# Altium PCB PCBV2.PcbDoc (part 1 of 3) (continued)
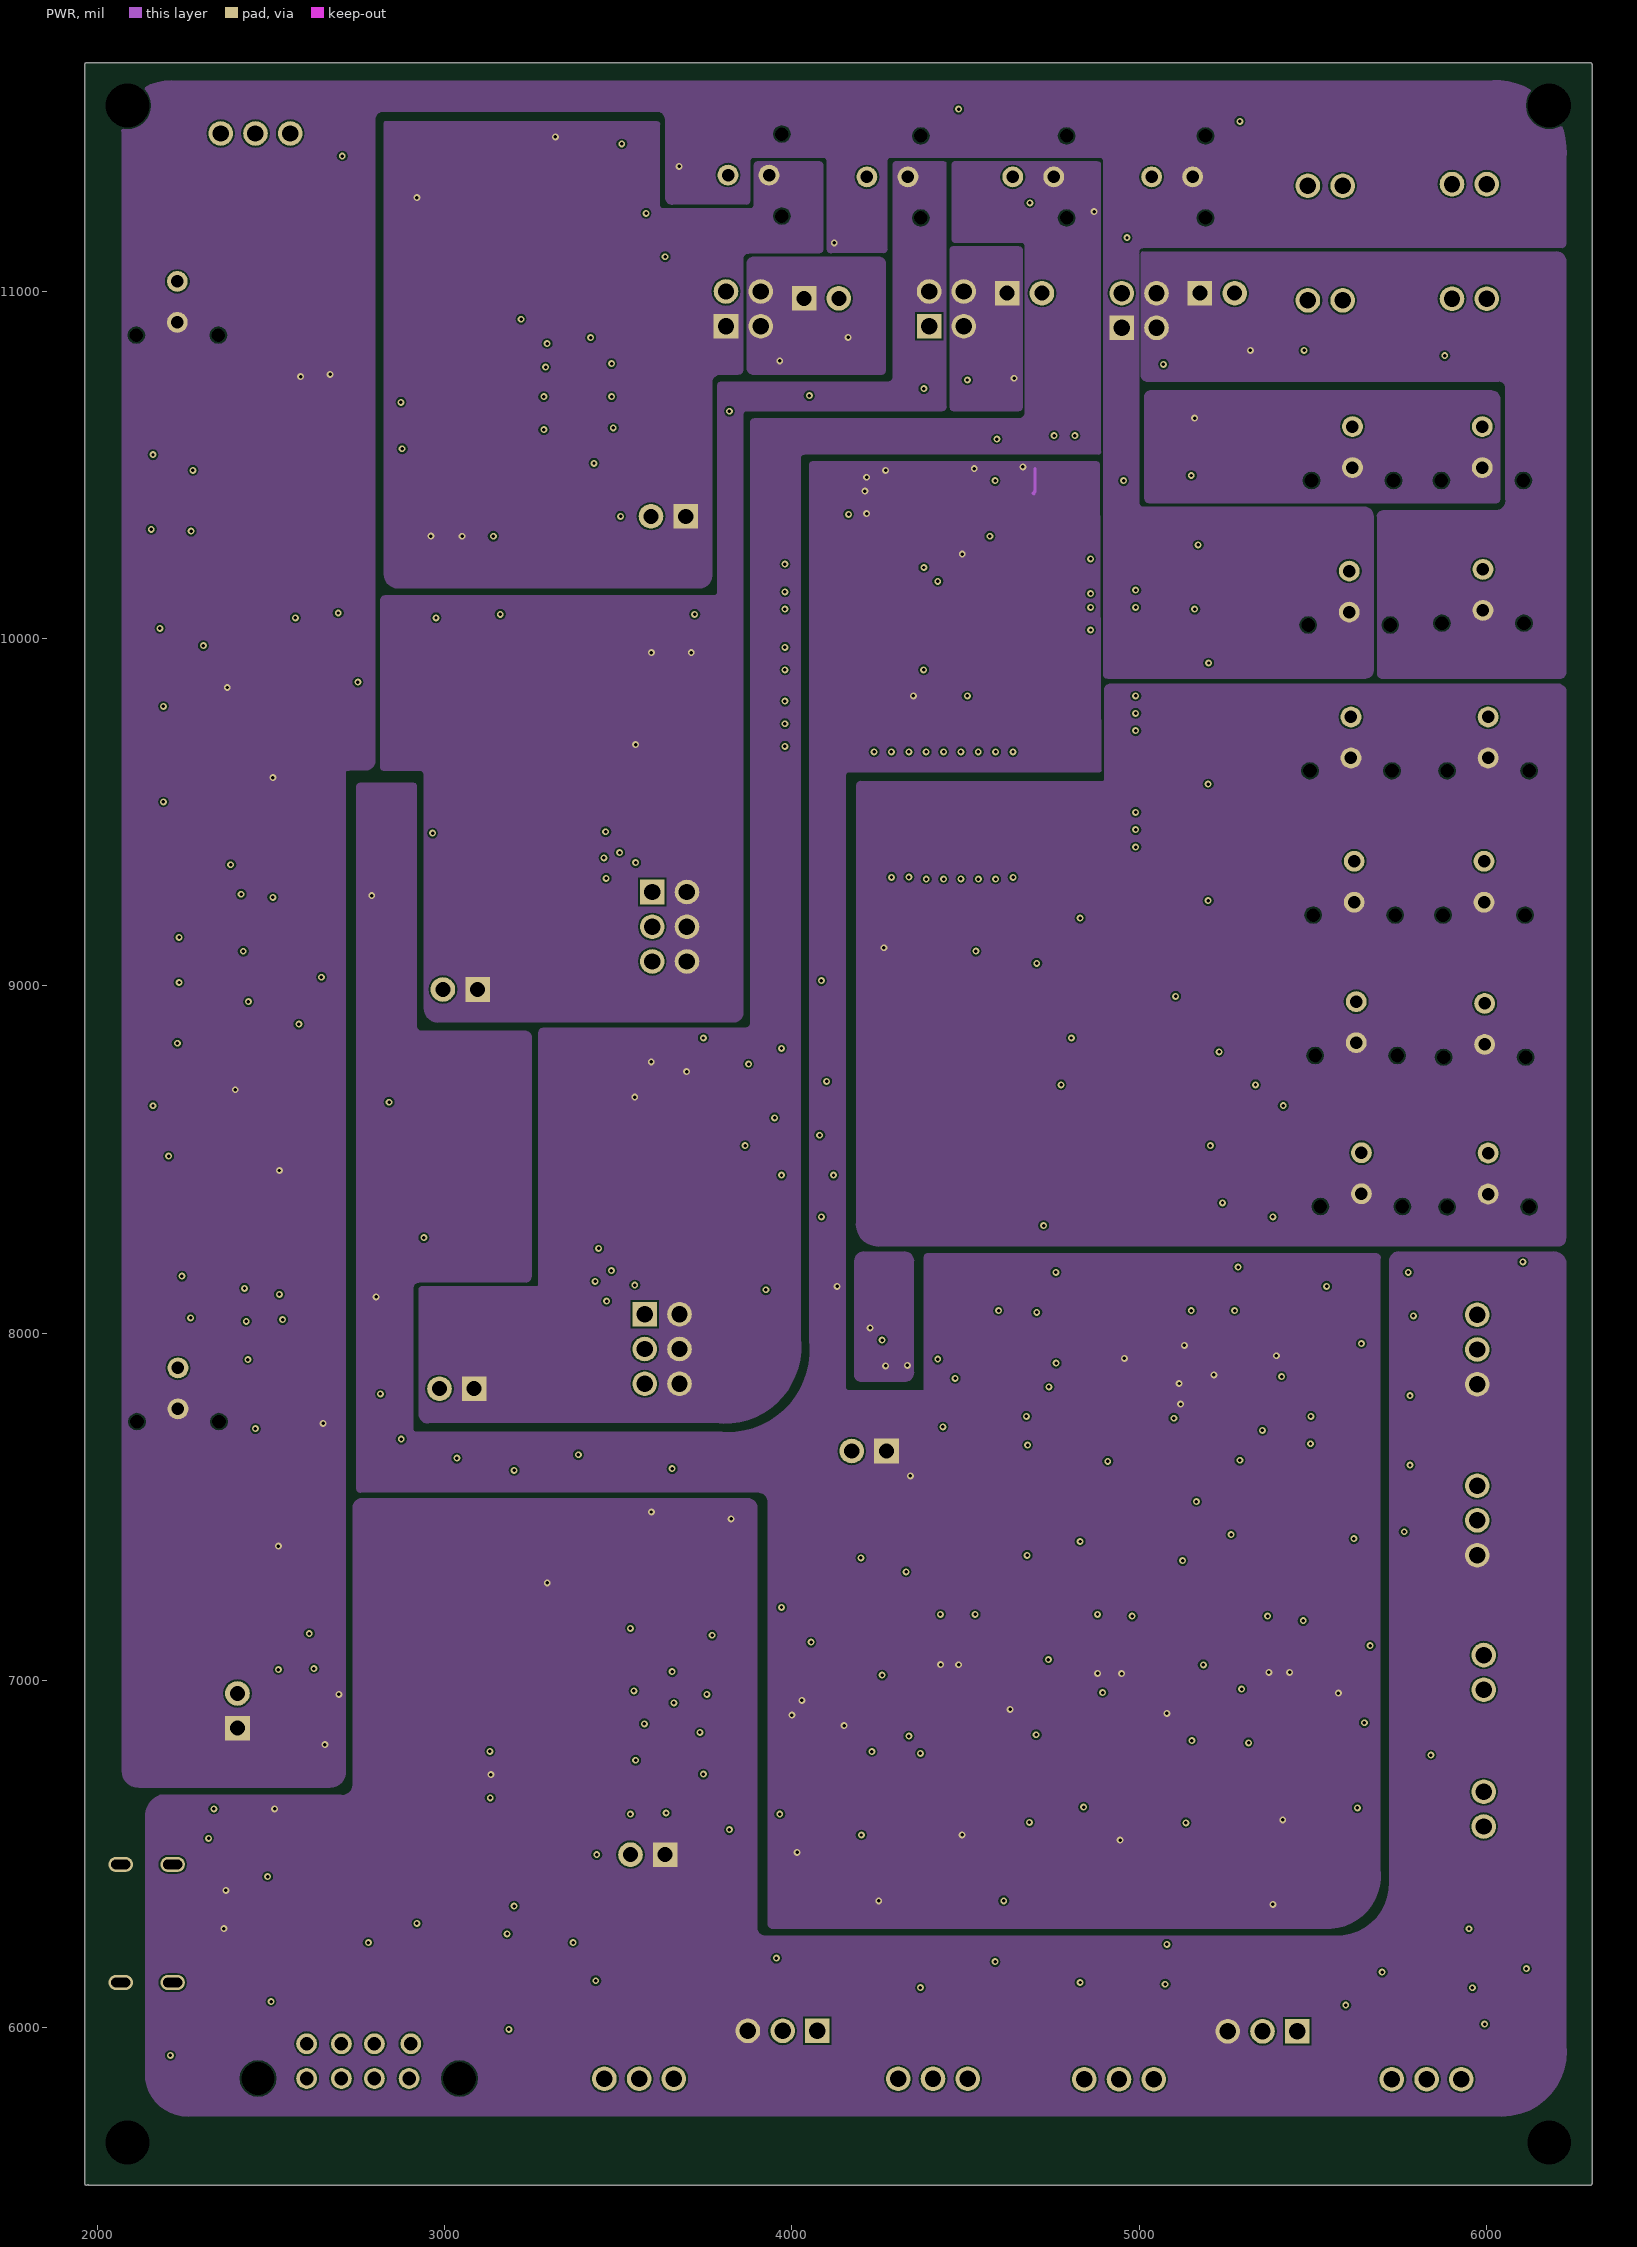
[diagram p3: PWR]

## Layer stack, top to bottom
Top Solder: solder mask 0.4, Solder Resist, Dk 3.5
Top Layer: signal copper 1.4
Dielectric 1: core 10, FR-4, Dk 4.2
GND: plane copper 1.417, net GND
Dielectric 3: prepreg 5, Dk 4.2
PWR: signal copper 1.417
Dielectric 2: core 10, Dk 4.2
Bottom Layer: signal copper 1.4
Bottom Solder: solder mask 0.4, Solder Resist, Dk 3.5

## Board outline
1963.49,5551.18 1963.49,11653.54 cw(c1968.5,11653.54) 1968.5,11658.56 6299.21,11658.56 cw(c6299.21,11653.54) 6304.23,11653.54 6304.23,5551.18 cw(c6299.21,5551.18) 6299.21,5546.17 1976.38,5546.17 cw(c1976.38,5551.18) 1972.44,5548.07 cw(c1968.5,5551.18)

## Design rules (kind name [scope] priority, off if disabled: settings)
AssemblyTestPointUsage [All] p1 off:
AssemblyTestpoint [All] p1 off: testpointundercomponent=TRUE minsize=40 maxsize=100 preferedsize=60 minholesize=0 maxholesize=40 preferedholesize=32 testpointgrid=1 usegrid=TRUE gridtolerance=0.01 allowsidetop=TRUE allowsidebottom=TRUE
BoardOutlineClearance [All] p1: gap=8 ignorepadtopadclearanceinfootprint=FALSE
Clearance [All] p1: gap=5 ignorepadtopadclearanceinfootprint=TRUE
ComponentClearance [All] p1: gap=10 collisioncheckmode=3 verticalgap=0 showdistances=FALSE
FabricationTestPointUsage [All] p1 off: valid=0 allowmultiple=FALSE
FabricationTestpoint [All] p1 off: side=3 testpointundercomponent=TRUE minsize=40 maxsize=100 preferedsize=60 minholesize=0 maxholesize=40 preferedholesize=32 testpointgrid=1 allowsidetop=TRUE allowsidebottom=TRUE usegrid=TRUE gridtolerance=0.01
HoleSize [All] p1: absolutevalues=TRUE maxlimit=137.8 minlimit=1 maxpercent=80.000 minpercent=20.000
HoleToHoleClearance [All] p1: gap=22 allowstackedmicrovias=TRUE
MinimumSolderMaskSliver [All] p1: minsoldermaskwidth=0
PlaneClearance [All] p1: clearance=20
PlaneConnect [All] p1: planeconnectstyle=Relief reliefexpansion=20 reliefentries=4 reliefconductorwidth=10 reliefairgap=10
PolygonConnect [All] p1: connectstyle=Direct reliefconductorwidth=10 reliefentries=4 polygonreliefangle="90 Angle" airgapwidth=10
RoutingVias [All] p1: holewidth=10 width=20 viastyle="Through Hole" minholewidth=10 minwidth=20 maxholewidth=10 maxwidth=20
SilkToSilkClearance [All] p1: silktosilkclearance=6
SilkToSolderMaskClearance [IsPad] p1: minsilkscreentomaskgap=0 clearancetoexposedcopper=TRUE
SolderMaskExpansion [All] p1: expansion=4
Width [All] p1: maxlimit=60 minlimit=5 preferedwidth=10 minimp=50.000000 maximp=50.000000 favimp=50.000000
18 further rules are at their usual default settings.

## Classes and differential pairs
channel class HighCurrentDriver: 1 2 3 4
channel class analogPath: 1 2 3 4
component class Step-Up: 90 C9 C10 C11 C12 C13 C14 C15 C29 D3 D4 F3 F4 J1 J2 L3 L4 R7 R8 R9 R10 R11 R12 R13 R14 tp-V1 tp-V2 U4 U5
component class Step-Down: 3V3 5V C2 C3 C4 C5 C6 C7 C8 D1 D2 F1 F2 L1 L2 ON R5 R6 R61 R62 R63 tp-3V3 tp-5V tp-9V U2 U3 U9
component class Salidas: 9V 12V B GPIO1 GPIO2 H1 H2 I2C PWM1 PWM1(RPI) PWM2 PWM2(RPI) PWM3 PWM4 PWR_OUT PWR_RPI RG1 RG2 RG3 RG4 RG5 RG6 RG7 RG8 V1 V2 W
component class "Generador PWM": 0 1 2 3 4 5 6 7 8 9 10 11 12 13 14 15 C19 ID-PWM R17 R18 R19 R20 R21 R22 R23 R24 R25 R26 R27 R28 R29 R30 R31 R32 R33 R34 R35 R36 R37 R38 R39 R40 R41 R42 U8
component class Entradas: C1 C30 L PWR_IN R1 R2 R3 R4 RPI_IN S1 S2 S3 S4 SJ1 SJ2 SJ3 SJ4 T tp-PWR_IN U10
component class Drivers: "Blue selector" C16 C17 C18 "Heater selector" "RG selector" tp-BLUE> tp-HEATER> tp-RG> U6
component class 4: Q1_4 R15_4 R16_4
component class 3: Q1_3 R15_3 R16_3
component class 2: Q1_2 R15_2 R16_2
component class 1: Q1_1 R15_1 R16_1
component class ADC: C24 C25 C26 C27 C28 ID-ADC R52 R53 R54 R55 R56 R57 R58 R59 R60 U7
component class 4: adc_4 C20_4 C21_4 C22_4 C23_4 R43_4 R44_4 R45_4 R46_4 R47_4 R48_4 R49_4 R50_4 R51_4 sens_4 sig_4 SJ6_4 SJ7_4 SJ8_4 U1_4
component class 3: adc_3 C20_3 C21_3 C22_3 C23_3 R43_3 R44_3 R45_3 R46_3 R47_3 R48_3 R49_3 R50_3 R51_3 sens_3 sig_3 SJ6_3 SJ7_3 SJ8_3 U1_3
component class 2: adc_2 C20_2 C21_2 C22_2 C23_2 R43_2 R44_2 R45_2 R46_2 R47_2 R48_2 R49_2 R50_2 R51_2 sens_2 sig_2 SJ6_2 SJ7_2 SJ8_2 U1_2
component class 1: adc_1 C20_1 C21_1 C22_1 C23_1 R43_1 R44_1 R45_1 R46_1 R47_1 R48_1 R49_1 R50_1 R51_1 sens_1 sensA1 sig_1 SJ6_1 SJ7_1 SJ8_1 U1_1

## Components (designator, comment, footprint, x,y, rotation, side; value= is the part's Value field where it differs from the comment)
0 "TP" TP 3855,10285 r180 bottom
1 "TP" TP 3855,10190 r180 bottom
2 "TP" TP 3855,10075 r180 bottom
3 "TP" TP 3855,9975 r180 bottom
3V3 "Generic LED" LED0603 3990,8095 r90 top
4 "TP" TP 3855,9890 r180 bottom
5 "TP" TP 3855,9790 r180 bottom
5V "Generic LED" LED0603 2385,6600 r90 top
6 "TP" TP 3855,9680 r180 bottom
7 "TP" TP 3855,9580 r180 bottom
8 "TP" TP 4915,9545 r0 top
9 "TP" TP 4925,9830 r0 top
9V "Power connector 2x1" CONN-TH_430450212 3875,11335 r180 top
10 "TP" TP 4925,9930 r0 top
11 "TP" TP 4925,10515 r0 top
12 "TP" TP 4665,10080 r180 bottom
12V "Power connector 2x1" CONN-TH_430450212 5095,11330 r180 top
13 "TP" TP 4665,10180 r180 bottom
14 "TP" TP 4665,10295 r180 bottom
15 "TP" TP 4665,10405 r180 bottom
adc_1 "TP" TP 4430,7255 r0 top (schematic designator adc)
adc_2 "TP" TP 4935,7270 r0 top (schematic designator adc)
adc_3 "TP" TP 5375,7285 r0 top (schematic designator adc)
adc_4 "TP" TP 5795,7060 r0 top (schematic designator adc)
B "Power connector 2x1" CONN-TH_430450212 5990,10140.63 r90 top
"Blue selector" "Pin Header 2x2c" HDR-TH_4P-P2.54-V-R2-C2-S2.54_A2541WV-2X2P 5000,10945 r0 top
C1 "Cap pol" CAP_SMD_Electrolytic_10x10 2521.26,7325.79 r270 top value=47uF
C2 "Cap pol" CAP_SMD_Electrolytic_13.5x13.5 2835,6603.35 r270 top value=680uF
C3 "Cap pol" CAP_SMD_Electrolytic_10x10 3662.76,7305.04 r270 top value=330uF
C4 "Cap Semi" 1608[0603] 4360.04,7857.44 r180 top value=1uF
C5 "Cap Semi" 1608[0603] 4360.04,7759.02 r180 top value=1uF
C6 "Cap pol" CAP_SMD_Electrolytic_13.5x13.5 2617.4,10387.13 r270 top value=680uF
C7 "Cap Semi" 1608[0603] 2960.12,10373.86 r270 top value=1.5nF
C8 "Cap pol" CAP_SMD_Electrolytic_10x10 3220.43,11194.21 r270 top value=330uF
C9 "Cap pol" CAP_SMD_Electrolytic_10x10 3549.25,9623.19 r270 top value=220uF
C10 "Cap Semi" 1608[0603] 3645.83,8781.02 r270 top value=1uF
C11 "Cap pol" CAP_SMD_Electrolytic_10x10 3547.4,8407.01 r270 top value=220uF
C12 "Cap pol" CAP_SMD_Electrolytic_10x10 2505.94,9524.76 r270 top value=47uF
C13 "Cap Semi" 1608[0603] 2722.48,9820.04 r180 top value=1uF
C14 "Cap Semi" 1608[0603] 3647.68,9997.2 r270 top value=1uF
C15 "Cap pol" CAP_SMD_Electrolytic_10x10 2523.78,8387.32 r270 top value=47uF
C16 "Cap Semi" 1608[0603] 4075,10870 r180 top value=1uF
C17 "Cap Semi" 1608[0603] 5190,10885 r180 top value=1uF
C18 "Cap Semi" 1608[0603] 4625,10890 r180 top value=1uF
C19 "Cap Semi" 1608[0603] 4428.8,9835.77 r180 top value=10uF
C20_1 "Cap Semi" 1608[0603] 4052.76,7020.59 r270 top value=10uF (schematic designator C20)
C20_2 "Cap Semi" 1608[0603] 4526.61,7117.4 r270 top value=10uF (schematic designator C20)
C20_3 "Cap Semi" 1608[0603] 4978.66,7103.15 r270 top value=10uF (schematic designator C20)
C20_4 "Cap Semi" 1608[0603] 5472.48,7102.4 r270 top value=10uF (schematic designator C20)
C21_1 "Cap Semi" 1608[0603] 3954.33,7016.65 r90 top value=100pF (schematic designator C21)
C21_2 "Cap Semi" 1608[0603] 4428.19,7117.4 r90 top value=100pF (schematic designator C21)
C21_3 "Cap Semi" 1608[0603] 4880.24,7103.15 r90 top value=100pF (schematic designator C21)
C21_4 "Cap Semi" 1608[0603] 5374.05,7102.4 r90 top value=100pF (schematic designator C21)
C22_1 "Cap Semi" 1608[0603] 4172.68,7309.69 r180 top value=100pF (schematic designator C22)
C22_2 "Cap Semi" 1608[0603] 4649.72,7303.94 r180 top value=100pF (schematic designator C22)
C22_3 "Cap Semi" 1608[0603] 5096.77,7289.37 r180 top value=100pF (schematic designator C22)
C22_4 "Cap Semi" 1608[0603] 5590.59,7358.31 r180 top value=100pF (schematic designator C22)
C23_1 "Cap Semi" 1608[0603] 4288.98,6811.93 r270 top value=100pF (schematic designator C23)
C23_2 "Cap Semi" 1608[0603] 4767.83,6870.87 r270 top value=100pF (schematic designator C23)
C23_3 "Cap Semi" 1608[0603] 5208.7,6862.48 r270 top value=100pF (schematic designator C23)
C23_4 "Cap Semi" 1608[0603] 5708.7,6925.24 r270 top value=100pF (schematic designator C23)
C24 "Cap Semi" 1608[0603] 5157.91,7917.8 r180 top value=100nF
C25 "Cap Semi" 1608[0603] 4753.9,7760.31 r0 top value=100nF
C26 "Cap Semi" 1608[0603] 4752.56,7675 r0 top value=100nF
C27 "Cap Semi" 1608[0603] 5413.82,7681.57 r180 top value=100nF
C28 "Cap Semi" 1608[0603] 5413.82,7760.31 r180 top value=100nF
C29 "Cap Semi" 1608[0603] 2720.63,8662.91 r180 top value=1uF
C30 "Cap Semi" 1608[0603] 3132.42,6285.14 r270 top value=100nF
D1 "Schottky Diode" SMB_L4.6-W3.6-LS5.3-RD 3280.35,6498.27 r180 top
D2 "Schottky Diode" SMB_L4.6-W3.6-LS5.3-RD 3348.9,10352.44 r180 top
D3 "Schottky Diode" SMB_L4.6-W3.6-LS5.3-RD 3429.29,8781.02 r0 top
D4 "Schottky Diode" SMB_L4.6-W3.6-LS5.3-RD 3444.92,9959.84 r0 top
F1 "Generic Fuse" F1206 3045.28,6960.63 r0 top
F2 "Generic Fuse" F1206 2794.57,10761.14 r0 top
F3 "Generic Fuse" F1206 2543.46,8702.28 r0 top
F4 "Generic Fuse" F1206 2525.63,9859.41 r0 top
GPIO1 "Generic Header 3x1" CONN-TH_A2547WV-3P 5973.35,7460.71 r90 top
GPIO2 "Generic Header 3x1" CONN-TH_A2547WV-3P 5973.35,7952.83 r90 top
H1 "Power connector 2x1" CONN-TH_430450212 5988.23,10551.73 r90 top
H2 "Power connector 2x1" CONN-TH_430450212 5614.21,10551.73 r90 top
"Heater selector" "Pin Header 2x2c" HDR-TH_4P-P2.54-V-R2-C2-S2.54_A2541WV-2X2P 4445,10950 r0 top
I2C "Generic Header 3x1" CONN-TH_A2547WV-3P 2455,11455 r180 top
ID-ADC "sj" SJ2#1 4912.56,7877.19 r0 top
ID-PWM "sj" SJ2#1 4440.45,10348.72 r0 top
J1 "Pin Header 3x2" HDR-TH_6P-P2.54-V-R2-C3-S2.54_A2541WV-2X3P 3626.14,7954.25 r270 top
J2 "Pin Header 3x2" HDR-TH_6P-P2.54-V-R2-C3-S2.54_A2541WV-2X3P 3647.68,9170.43 r270 top
L "Pin Header 3x1" HDR-TH_3P-P2.54-V 5355.28,5989.21 r180 top
L1 "Inductor" IND-SMD_L12.5-W12.5_SMDRS1275 3160.28,7280.63 r0 top value=68uH
L2 "Inductor" IND-SMD_L8.0-W8.0 2782.36,11064.84 r0 top value=15uH
L3 "Inductor" IND-SMD_L12.3-W12.3 3030.51,8466.73 r0 top value=33uH
L4 "Inductor" IND-SMD_L12.3-W12.3 3037.44,9642.87 r0 top value=33uH
ON "Generic LED" LED0603 2510,7705 r90 top
PWM1 "Generic header 2x1" CONN-TH_A2547WV-2P 5950,10995 r180 top
PWM1(RPI) "Generic header 2x1" CONN-TH_A2547WV-2P 6008.03,6630.28 r90 top
PWM2 "Generic header 2x1" CONN-TH_A2547WV-2P 5535,10990 r180 top
PWM2(RPI) "Generic header 2x1" CONN-TH_A2547WV-2P 6008.03,7023.98 r90 top
PWM3 "Generic header 2x1" CONN-TH_A2547WV-2P 5950,11325 r180 top
PWM4 "Generic header 2x1" CONN-TH_A2547WV-2P 5535,11320 r180 top
PWR_IN "Power connector 2x1" CONN-TH_430450212 2231.89,7841.06 r90 top
PWR_OUT "Power connector 2x1" CONN-TH_430450212 2230,10970 r90 top
PWR_RPI "USB-C female 6" "USB-C_SMD 6 contacts" 2144.68,6300 r0 top
Q1_1 "IRF7401PbF-1" SOIC8 5157.64,9426.26 r270 top (schematic designator Q1)
Q1_2 "IRF7401PbF-1" SOIC8 5157.64,9760.91 r270 top (schematic designator Q1)
Q1_3 "IRF7401PbF-1" SOIC8 5157.64,10115.24 r270 top (schematic designator Q1)
Q1_4 "IRF7401PbF-1" SOIC8 5157.64,10469.57 r270 top (schematic designator Q1)
R1 "Res3" J1-0603 4052.01,5852.72 r0 top value=10K
R2 "Res3" J1-0603 3931.5,5729.21 r180 top value=10K
R3 "Res3" J1-0603 5434.02,5851.42 r0 top value=10K
R4 "Res3" J1-0603 5314.49,5736.61 r180 top value=10K
R5 "Res3" J1-0603 3140.12,10373.86 r90 top value=1K
R6 "Res3" J1-0603 3050.12,10373.86 r270 top value=6.34K
R7 "Res3" J1-0603 3389.92,8092.05 r180 top value=1K
R8 "Res3" J1-0603 3389.92,8013.31 r0 top value=11.8K
R9 "Res3" J1-0603 3389.92,7934.57 r0 top value=15K
R10 "Res3" J1-0603 3389.92,7855.83 r0 top value=18.2K
R11 "Res3" J1-0603 3391.77,9308.23 r180 top value=1K
R12 "Res3" J1-0603 3391.77,9229.49 r0 top value=11.8K
R13 "Res3" J1-0603 3391.77,9150.75 r0 top value=15K
R14 "Res3" J1-0603 3391.77,9072.01 r0 top value=18.2K
R15_1 "Res3" J1-0603 4941.1,9347.52 r0 top value=110 (schematic designator R15)
R15_2 "Res3" J1-0603 4941.1,9682.17 r0 top value=110 (schematic designator R15)
R15_3 "Res3" J1-0603 4941.1,10036.5 r0 top value=110 (schematic designator R15)
R15_4 "Res3" J1-0603 4941.1,10390.83 r0 top value=110 (schematic designator R15)
R16_1 "Res3" J1-0603 5168.54,9292.99 r180 top value=10K (schematic designator R16)
R16_2 "Res3" J1-0603 5168.54,9627.64 r180 top value=10K (schematic designator R16)
R16_3 "Res3" J1-0603 5168.54,9981.97 r180 top value=10K (schematic designator R16)
R16_4 "Res3" J1-0603 5178.82,10332.32 r180 top value=10K (schematic designator R16)
R17 "Res3" J1-0603 4320.53,10347.58 r0 top value=2K
R18 "Res3" J1-0603 4556.75,10347.58 r180 top value=10K
R19 "Res3" J1-0603 4192.58,10308.21 r0 top value=10K
R20 "Res3" J1-0603 4107.26,10320.41 r270 top value=2K
R21 "Res3" J1-0603 4048.21,10320.41 r270 top value=2K
R22 "Res3" J1-0603 3989.15,10320.41 r270 top value=2K
R23 "Res3" J1-0603 4146.63,10162.93 r270 top value=220
R24 "Res3" J1-0603 4087.58,10162.93 r90 top value=220
R25 "Res3" J1-0603 4146.63,10025.14 r270 top value=220
R26 "Res3" J1-0603 4087.58,10025.14 r90 top value=220
R27 "Res3" J1-0603 4147.58,9886.24 r270 top value=220
R28 "Res3" J1-0603 4087.58,9886.24 r90 top value=220
R29 "Res3" J1-0603 4146.63,9739.71 r270 top value=220
R30 "Res3" J1-0603 4087.58,9739.71 r90 top value=220
R31 "Res3" J1-0603 4638.76,10320.41 r270 top value=2K
R32 "Res3" J1-0603 4697.81,10320.41 r270 top value=2K
R33 "Res3" J1-0603 4697.81,10162.93 r90 top value=220
R34 "Res3" J1-0603 4756.87,10162.93 r270 top value=220
R35 "Res3" J1-0603 4697.81,10025.14 r90 top value=220
R36 "Res3" J1-0603 4756.87,10025.14 r270 top value=220
R37 "Res3" J1-0603 4697.81,9887.34 r90 top value=220
R38 "Res3" J1-0603 4756.87,9887.34 r270 top value=220
R39 "Res3" J1-0603 4697.81,9749.55 r90 top value=220
R40 "Res3" J1-0603 4756.87,9749.55 r270 top value=220
R41 "Res3" J1-0603 4756.87,10320.41 r270 top value=10K
R42 "Res3" J1-0603 4815.93,10320.41 r270 top value=10K
R43_1 "Res3" J1-0603 4294.53,6680 r0 top value=1.2K (schematic designator R43)
R43_2 "Res3" J1-0603 4767.83,6728.39 r0 top value=1.2K (schematic designator R43)
R43_3 "Res3" J1-0603 5214.88,6698.82 r0 top value=1.2K (schematic designator R43)
R43_4 "Res3" J1-0603 5708.7,6748.07 r0 top value=1.2K (schematic designator R43)
R44_1 "Res3" J1-0603 4013.39,6575.71 r270 top value=2.2K (schematic designator R44)
R44_2 "Res3" J1-0603 4492.24,6634.65 r270 top value=2.2K (schematic designator R44)
R44_3 "Res3" J1-0603 4939.29,6620.08 r270 top value=2.2K (schematic designator R44)
R44_4 "Res3" J1-0603 5413.42,6669.33 r270 top value=2.2K (schematic designator R44)
R45_1 "Res3" J1-0603 4190.55,7166.26 r270 top value=2.2K (schematic designator R45)
R45_2 "Res3" J1-0603 4669.41,7205.51 r270 top value=2.2K (schematic designator R45)
R45_3 "Res3" J1-0603 5116.46,7190.94 r270 top value=2.2K (schematic designator R45)
R45_4 "Res3" J1-0603 5610.28,7259.88 r270 top value=2.2K (schematic designator R45)
R46_1 "Res3" J1-0603 4229.92,7067.83 r0 top value=2.2K (schematic designator R46)
R46_2 "Res3" J1-0603 4708.78,7107.09 r0 top value=2.2K (schematic designator R46)
R46_3 "Res3" J1-0603 5155.83,7092.52 r0 top value=2.2K (schematic designator R46)
R46_4 "Res3" J1-0603 5649.65,7161.46 r0 top value=2.2K (schematic designator R46)
R47_1 "Res3" J1-0603 4072.44,6733.19 r0 top value=1.2K (schematic designator R47)
R47_2 "Res3" J1-0603 4551.3,6792.13 r0 top value=1.2K (schematic designator R47)
R47_3 "Res3" J1-0603 4998.35,6777.56 r0 top value=1.2K (schematic designator R47)
R47_4 "Res3" J1-0603 5492.16,6826.81 r0 top value=1.2K (schematic designator R47)
R48_1 "Res3" J1-0603 4072.44,6674.13 r180 top value=1.2K (schematic designator R48)
R48_2 "Res3" J1-0603 4551.3,6733.07 r180 top value=1.2K (schematic designator R48)
R48_3 "Res3" J1-0603 4998.35,6718.5 r180 top value=1.2K (schematic designator R48)
R48_4 "Res3" J1-0603 5492.16,6767.76 r180 top value=1.2K (schematic designator R48)
R49_1 "Res3" J1-0603 4151.18,7008.78 r180 top value=100 (schematic designator R49)
R49_2 "Res3" J1-0603 4630.04,7048.03 r180 top value=100 (schematic designator R49)
R49_3 "Res3" J1-0603 5077.09,7033.46 r180 top value=100 (schematic designator R49)
R49_4 "Res3" J1-0603 5570.9,7102.4 r180 top value=100 (schematic designator R49)
R50_1 "Res3" J1-0603 3954.33,6674.13 r0 top value=2.2K (schematic designator R50)
R50_2 "Res3" J1-0603 4433.19,6733.07 r0 top value=2.2K (schematic designator R50)
R50_3 "Res3" J1-0603 4880.24,6718.5 r0 top value=2.2K (schematic designator R50)
R50_4 "Res3" J1-0603 5374.05,6767.76 r0 top value=2.2K (schematic designator R50)
R51_1 "Res3" J1-0603 4200,6629.53 r90 top value=1.2K (schematic designator R51)
R51_2 "Res3" J1-0603 4684.09,6669.02 r90 top value=1.2K (schematic designator R51)
R51_3 "Res3" J1-0603 5133.7,6662.48 r90 top value=1.2K (schematic designator R51)
R51_4 "Res3" J1-0603 5629.96,6708.7 r90 top value=1.2K (schematic designator R51)
R52 "Res3" J1-0603 5000.43,7898.11 r270 top value=2K
R53 "Res3" J1-0603 4830.87,7872.98 r90 top value=10K
R54 "Res3" J1-0603 5059.49,7898.11 r270 top value=2K
R55 "Res3" J1-0603 5256.34,7903.43 r90 top value=10K
R56 "Res3" J1-0603 5315.39,7903.43 r90 top value=10K
R57 "Res3" J1-0603 4902.01,7760.31 r0 top value=220
R58 "Res3" J1-0603 4902.01,7676.57 r0 top value=220
R59 "Res3" J1-0603 5295.71,7760.31 r0 top value=220
R60 "Res3" J1-0603 5295.71,7681.57 r0 top value=220
R61 "Res3" J1-0603 4080,8095 r90 top value=10
R62 "Res3" J1-0603 2455,6600 r90 top value=100
R63 "Res3" J1-0603 2590,7700 r90 top value=442
RG1 "Power connector 2x1" CONN-TH_430450212 6005,8459.68 r90 top
RG2 "Power connector 2x1" CONN-TH_430450212 5640,8460.63 r90 top
RG3 "Power connector 2x1" CONN-TH_430450212 5995,8890.63 r90 top
RG4 "Power connector 2x1" CONN-TH_430450212 5625,8895.63 r90 top
RG5 "Power connector 2x1" CONN-TH_430450212 5993.23,9299.96 r90 top
RG6 "Power connector 2x1" CONN-TH_430450212 5619.21,9299.96 r90 top
RG7 "Power connector 2x1" CONN-TH_430450212 6005,9715.63 r90 top
RG8 "Power connector 2x1" CONN-TH_430450212 5610,9715.63 r90 top
"RG selector" "Pin Header 2x2c" HDR-TH_4P-P2.54-V-R2-C2-S2.54_A2541WV-2X2P 3860,10950 r0 top
RPI_IN "Generic Header 4x2" CONN-TH_8P-P2.54-V-M_15477608 2752.48,5903.62 r180 top
S1 "Generic Header 3x1" CONN-TH_A2547WV-3P 3559.88,5852.72 r0 top
S2 "Generic Header 3x1" CONN-TH_A2547WV-3P 4406.34,5852.72 r0 top
S3 "Generic Header 3x1" CONN-TH_A2547WV-3P 4941.89,5851.42 r0 top
S4 "Generic Header 3x1" CONN-TH_A2547WV-3P 5827.72,5851.42 r0 top
sens_1 "TP" TP 4385,6485 r0 top (schematic designator sens)
sens_2 "TP" TP 4885,6485 r0 top (schematic designator sens)
sens_3 "TP" TP 5325,6500 r0 top (schematic designator sens)
sens_4 "TP" TP 5620,6500 r0 top (schematic designator sens)
sig_1 "TP" TP 4065,7385 r0 top (schematic designator sig)
sig_2 "TP" TP 4490,7380 r0 top (schematic designator sig)
sig_3 "TP" TP 4970,7390 r0 top (schematic designator sig)
sig_4 "TP" TP 5455,7390 r0 top (schematic designator sig)
SJ1 "sj" SJ2#1 3933.9,5852.72 r180 top
SJ2 "sj" SJ2#1 4041.5,5729.21 r0 top
SJ3 "sj" SJ2#2 5315.91,5851.42 r180 top
SJ4 "sj" SJ2#1 5425.83,5737.6 r0 top
SJ6_1 "sj" SJ2#2 4288.98,6615.08 r0 top (schematic designator SJ6)
SJ6_2 "sj" SJ2#2 4767.83,6654.33 r0 top (schematic designator SJ6)
SJ6_3 "sj" SJ2#2 5214.88,6639.76 r0 top (schematic designator SJ6)
SJ6_4 "sj" SJ2#1 5708.7,6689.02 r0 top (schematic designator SJ6)
SJ7_1 "sj" SJ2#1 4072.44,6792.24 r0 top (schematic designator SJ7)
SJ7_2 "sj" SJ2#1 4551.3,6851.18 r0 top (schematic designator SJ7)
SJ7_3 "sj" SJ2#1 4998.35,6836.61 r0 top (schematic designator SJ7)
SJ7_4 "sj" SJ2#1 5492.16,6885.87 r0 top (schematic designator SJ7)
SJ8_1 "sj" SJ2#3 4275,7280 r270 top (schematic designator SJ8)
SJ8_2 "sj" SJ2#3 4770,7320 r270 top (schematic designator SJ8)
SJ8_3 "sj" SJ2#1 5225,7275 r270 top (schematic designator SJ8)
SJ8_4 "sj" SJ2#1 5720,7315 r270 top (schematic designator SJ8)
T "Pin Header 3x1" HDR-TH_3P-P2.54-V 3973.27,5990.51 r180 top
tp-3V3 "Pin Header 2x1" HDR-TH_P2.54-H-M_A2541WV-2P 4222.24,7660.59 r180 top
tp-5V "Pin Header 2x1" HDR-TH_P2.54-H-M_A2541WV-2P 3585,6498.27 r180 top
tp-9V "Pin Header 2x1" HDR-TH_P2.54-H-M_A2541WV-2P 3644.17,10352.44 r180 top
tp-BLUE> "Pin Header 2x1" HDR-TH_P2.54-H-M_A2541WV-2P 5225,10995 r0 top
tp-HEATER> "Pin Header 2x1" HDR-TH_P2.54-H-M_A2541WV-2P 4670,10995 r0 top
tp-PWR_IN "Pin Header 2x1" HDR-TH_P2.54-H-M_A2541WV-2P 2403.15,6912.4 r90 top
tp-RG> "Pin Header 2x1" HDR-TH_P2.54-H-M_A2541WV-2P 4085,10980 r0 top
tp-V1 "Pin Header 2x1" HDR-TH_P2.54-H-M_A2541WV-2P 3035,7840 r180 top
tp-V2 "Pin Header 2x1" HDR-TH_P2.54-H-M_A2541WV-2P 3044.92,8989.84 r180 top
U1_1 "OPA2333AIDGKR" MSOP-8 4190.55,6831.61 r0 top (schematic designator U1)
U1_2 "OPA2333AIDGKR" MSOP-8 4665.08,6881.93 r0 top (schematic designator U1)
U1_3 "OPA2333AIDGKR" MSOP-8 5113.39,6865.91 r0 top (schematic designator U1)
U1_4 "OPA2333AIDGKR" MSOP-8 5610.28,6925.24 r0 top (schematic designator U1)
U2 "AP2112K-3.3TRG1" SOT25-5 4232.6,7807.24 r0 top
U3 "LM2596-ADJ" TO-263-5 3193.82,10680.51 r180 top
U4 "XL6008" TO-252-5 2858.43,8052.68 r270 top
U5 "XL6008" TO-252-5 2840.59,9209.8 r270 top
U6 "ULN2803A" SOIC18 4636.77,9601.26 r270 top
U7 "ADS1115" "VSSOP - 10" 5098.86,7780 r270 top
U8 "PCA9685" SSOP-28_L 4429.74,10076.79 r0 top
U9 "LM2596-5V" TO-263-5 3449.25,6795.59 r180 top
U10 "TCA9517A" "VSSOP - 8" 3285,6175 r270 top
V1 "Power connector 2x1" CONN-TH_430450212 4695,11330 r180 top
V2 "Power connector 2x1" CONN-TH_430450212 4275,11330 r180 top
W "Power connector 2x1" CONN-TH_430450212 5605,10135.63 r90 top

## Footprints (in the part's own frame and the unit in brackets; to place one, negate y for a bottom-side part, rotate by r counter-clockwise, add the part's x,y. Pads: shape width x height; smd on the part's side, far side on the other; paste and mask are expansions set on the pad)
1608[0603] [mm] "Chip Capacitor, Body 1.6x0.8mm, IPC High Density"
  rect 0.8x0.9 smd: 1(-0.7,0) 2(0.7,0)
  body extent -0.87,-0.48 0.87,0.48, height 1.3
CAP_SMD_Electrolytic_10x10 [mm]
  rect 3.2x1.5 smd: 1(4.5,0) 2(-4.5,0)
  silkscreen extent -5.15,-5.15 5.15,5.15, body extent -6,-5.25 6,5.25, height 10.5
CAP_SMD_Electrolytic_13.5x13.5 [mm]
  rect 5x1.6 smd: 1(5.8,0) 2(-5.8,0)
  silkscreen extent -6.75,-6.75 6.75,6.75, body extent -7.35,-6.75 7.55,6.75, height 13.5
CONN-TH_8P-P2.54-V-M_15477608 [mil]
  round 60 hole 39.37: 1(-145,50) 2(-45,50) 3(50,50) 4(150,50) 5(150,-50) 6(50,-50) 7(-45,-50) 8(-150,-50)
  round 60 hole 94.49: 9(-290.16,50) 10(290.16,50)
  silkscreen extent -346,-217 346,217, body extent -339,-195 341,225, height 501
CONN-TH_430450212 [mm]
  round 1.524 hole 0.914: 1(-1.5,0) 2(1.5,0)
  round 0.5 hole 1: 3(-2.44,3) 4(-2.44,-3)
  silkscreen extent -4.19,-3.32 3.97,3.32, body extent -4.73,-3.6 4.03,3.55, height 9.95
CONN-TH_A2547WV-2P [mm]
  round 1.8 hole 1.2: 1(-1.295,0.4) 2(1.245,0.4)
  silkscreen extent -3.84,-3.66 3.78,2.94, body extent -3.71,-3.71 3.66,2.89, height 11.81
CONN-TH_A2547WV-3P [mm]
  round 1.8 hole 1.2: 1(-2.54,0) 2(0,0) 3(2.54,0)
  silkscreen extent -5.08,-4.07 5.08,2.54, body extent -5.08,-4.04 5.08,2.56, height 11.81
F1206 [mm]
  rect 1.2x1.9 smd: 1(-1.6,0) 2(1.6,0)
  silkscreen extent -2.5,-1.2 2.5,1.2, body extent -1.7,-0.89 1.7,0.89, height 0.84
HDR-TH_3P-P2.54-V [mm]
  rect 1.8x1.8 hole 1.2: 1(-2.54,0)
  round 1.8 hole 1.2: 2(0,0) 3(2.54,0)
  silkscreen extent -4.06,-1.22 4.06,1.22, body extent -3.81,-1.27 3.81,1.27, height 8.6
HDR-TH_4P-P2.54-V-R2-C2-S2.54_A2541WV-2X2P [mm]
  rect 1.8x1.8 hole 1.2: 1(-1.27,-1.27)
  round 1.8 hole 1.2: 2(-1.27,1.27) 3(1.27,-1.27) 4(1.27,1.27)
  silkscreen extent -2.54,-2.54 2.54,2.54, body extent -2.54,-2.5 2.54,2.5, height 8.6
HDR-TH_6P-P2.54-V-R2-C3-S2.54_A2541WV-2X3P [mm]
  rect 1.8x1.8 hole 1.2: 1(-2.54,-1.27)
  round 1.8 hole 1.2: 2(0,-1.27) 3(2.54,-1.27) 4(2.54,1.27) 5(0,1.27) 6(-2.54,1.27)
  silkscreen extent -3.81,-2.54 3.81,2.54, body extent -3.76,-2.54 3.86,2.54, height 9.25
HDR-TH_P2.54-H-M_A2541WV-2P [mm]
  rect 1.8x1.8 hole 1.1: 1(-1.27,0)
  round 1.8 hole 1.1: 2(1.27,0)
  silkscreen extent -2.54,-1.27 2.54,1.27, body extent -2.46,-1.16 2.62,1.24, height 8.36
IND-SMD_L8.0-W8.0 [mm]
  rect 3.2x7.5 smd: 1(-3.4,0) 2(3.4,0)
  silkscreen extent -4,-4 4,4, body extent -4.1,-4 3.9,4, height 4
IND-SMD_L12.3-W12.3 [mm]
  rect 3x6 smd: 1(-5,0) 2(5,0)
  silkscreen extent -6.2,-6.2 6.2,6.2, body extent -6.09,-6.1 6.2,6.2, height 8
IND-SMD_L12.5-W12.5_SMDRS1275 [mm]
  rect 2.5x3.2 smd: 1(-5.55,0) 2(5.55,0)
  silkscreen extent -6.25,-6.25 6.25,6.25, body extent -6.25,-6.25 6.25,6.25, height 7.8
J1-0603 [mm] "Chip Resistor, Body 1.6x0.8mm, IPC High Density"
  rect 0.7x0.9 smd: 1(-0.75,0) 2(0.75,0)
  silkscreen extent -0.2,-0.35 0.2,0.35, body extent -0.85,-0.48 0.85,0.48, height 0.9
LED0603 [mm] "LED 0603"
  rect 0.8x0.8 smd: 1(-0.8,0) 2(0.8,0)
  silkscreen extent -0.13,-0.25 0.13,0.25, body extent -0.8,-0.4 0.8,0.4, height 0.4
MSOP-8 [mm]
  rect 0.4x1.4 smd: 1(-0.975,-2.502) 2(-0.325,-2.502) 3(0.325,-2.502) 4(0.975,-2.502) 5(0.975,2.502) 6(0.325,2.502) 7(-0.325,2.502) 8(-0.975,2.502)
  body extent -1.5,-2.45 1.5,2.45, height 1.15
SJ2#1 [mm]
  oval 0.5x0.2 smd: 1(-0.9,0) 2(0.9,0)
  Top Layer region: -0.238,-0.491 -0.455,-0.442 -0.629,-0.303 -0.726,-0.103 -0.726,0.12 -0.629,0.32 -0.455,0.459 -0.238,0.509 -0.238,0.509
  Top Layer region: 0.2,-0.5 0.417,-0.45 0.591,-0.312 0.687,-0.111 0.687,0.111 0.591,0.312 0.417,0.45 0.2,0.5 0.2,0.5
  Top Layer lines w0.127: -0.2,-0.5 cw(c-0.2,0) -0.2,0.5 -0.2,-0.5 ; 0.2,-0.5 ccw(c0.2,0) 0.2,0.5 0.2,-0.5
SJ2#2 [mm]
  oval 0.5x0.2 smd: 1(-0.9,0) 2(0.9,0)
  Top Layer region: -0.238,-0.491 -0.455,-0.442 -0.629,-0.303 -0.726,-0.103 -0.726,0.12 -0.629,0.32 -0.455,0.459 -0.238,0.509 -0.238,0.509
  Top Layer region: 0.2,-0.5 0.417,-0.45 0.591,-0.312 0.687,-0.111 0.687,0.111 0.591,0.312 0.417,0.45 0.2,0.5 0.2,0.5
  Top Layer lines w0.127: 0.6,-0.3 cw(c0.2,0) 0.5,-0.4 cw(c0.2,0) 0.2,-0.5 0.2,0.5 cw(c0.2,0) 0.6,-0.3 ; -0.2,0.5 ccw(c-0.2,0) -0.2,-0.5 -0.2,0.5
SJ2#3 [mm]
  oval 0.5x0.2 smd: 1(-0.9,0) 2(0.9,0)
  Top Layer region: -0.238,-0.491 -0.455,-0.442 -0.629,-0.303 -0.726,-0.103 -0.726,0.12 -0.629,0.32 -0.455,0.459 -0.238,0.509 -0.238,0.509
  Top Layer region: 0.2,-0.5 0.417,-0.45 0.591,-0.312 0.687,-0.111 0.687,0.111 0.591,0.312 0.417,0.45 0.2,0.5 0.2,0.5
  Top Layer lines w0.127: 0.2,-0.5 ccw(c0.2,0) 0.2,0.5 0.2,-0.5 ; -0.2,-0.5 cw(c-0.2,0) -0.266,-0.496 cw(c-0.2,0) -0.696,-0.066 cw(c-0.2,0) -0.2,0.5 -0.2,-0.5
SMB_L4.6-W3.6-LS5.3-RD [mm]
  rect 2.29x2.72 smd: 1(-2.025,0) 2(2.025,0)
  silkscreen extent -2.35,-2 2.35,2, body extent -2.79,-1.97 2.8,1.97, height 2.5
SOIC8 [mm]
  rect 0.72x1.8 smd: 1(-1.905,-2.5) 2(-0.635,-2.5) 3(0.635,-2.5) 4(1.905,-2.5) 5(1.905,2.5) 6(0.635,2.5) 7(-0.635,2.5) 8(-1.905,2.5)
  silkscreen extent -2.63,-2.12 2.63,2.12, body extent -2.5,-3.08 2.5,3.08, height 2
SOIC18 [mm]
  rect 2x0.6 smd: 1(0,0) 2(0,-1.27) 3(0,-2.54) 4(0,-3.81) 5(0,-5.08) 6(0,-6.35) 7(0,-7.62) 8(0,-8.89) 9(0,-10.16) 10(9.4,-10.16) 11(9.4,-8.89) 12(9.4,-7.62) 13(9.4,-6.35) 14(9.4,-5.08) 15(9.4,-3.81) 16(9.4,-2.54) 17(9.4,-1.27) 18(9.4,0)
  silkscreen extent 1.5,-10.5 8,0.5, body extent -0.48,-10.88 9.83,0.68, height 2.64
SOT25-5 [mm]
  rect 0.6x1.2 smd: 1(0.95,1.2) 2(0,1.2) 3(-0.95,1.2) 4(-0.95,-1.2) 5(0.95,-1.2)
  silkscreen extent -1.4,-0.5 1.68,0.81, body extent -1.55,-1.47 1.55,1.53, height 1.45
SSOP-28_L [mm] "SOP, 28-Leads, Body 10.2x5.3mm, Pitch 0.65mm, IPC High Density"
  oval 1.8x0.35 smd: 1(-3.4,4.225) 2(-3.4,3.575) 3(-3.4,2.925) 4(-3.4,2.275) 5(-3.4,1.625) 6(-3.4,0.975) 7(-3.4,0.325) 8(-3.4,-0.325) 9(-3.4,-0.975) 10(-3.4,-1.625) 11(-3.4,-2.275) 12(-3.4,-2.925) 13(-3.4,-3.575) 14(-3.4,-4.225) 15(3.4,-4.225) 16(3.4,-3.575) 17(3.4,-2.925) 18(3.4,-2.275) 19(3.4,-1.625) 20(3.4,-0.975) 21(3.4,-0.325) 22(3.4,0.325) 23(3.4,0.975) 24(3.4,1.625) 25(3.4,2.275) 26(3.4,2.925) 27(3.4,3.575) 28(3.4,4.225)
  silkscreen extent -3.52,-5.25 2.1,5.25, body extent -2.8,-5.25 2.8,5.25, height 2
TO-252-5 [mm]
  rect 0.8x2 smd: 1(-2.54,0) 2(-1.27,0) 3(0,0) 4(1.27,0) 5(2.54,0)
  rect 5.6x6 smd: 6(0,7.2)
  silkscreen extent -3,0.5 3,8, body extent -3.27,-0.12 3.27,9.55, height 2.29
TO-263-5 [mm]
  rect 3.5x1.069 smd: 1(5.2,-3.404) 2(5.3,-1.702) 3(5.3,0) 4(5.3,1.702) 5(5.3,3.404)
  rect 8.89x10.66 smd: 6(-5.3,0)
  silkscreen extent -0.41,-5.08 4.07,5.08, body extent -8.55,-5.1 5.8,5.08, height 4.58
TP [mil]
  round 30 smd: 1(0,0)
  silkscreen extent -26,-26 25,26
"USB-C_SMD 6 contacts" [mm]
  oval 1.8x1.1 hole 0.7 slot 1.401 at 0 deg: 1(-1.975,4.32) 2(1.825,4.32) 3(-1.975,-4.32) 4(1.825,-4.32)
  rect 1.5x0.7 smd: A5(1.975,0.5) B5(1.975,-0.5)
  rect 1.5x0.76 smd: A9(1.975,-1.52) B9(1.975,1.52)
  rect 1.4x0.8 smd: A12(1.975,-2.75)
  rect 1.5x0.8 smd: B12(1.975,2.75)
  silkscreen extent -0.72,-4.4 0.56,4.4
"VSSOP - 8" [mm]
  oval 0.4x1.45 smd: 1(-0.975,-2.2) 2(-0.325,-2.2) 3(0.325,-2.2) 4(0.975,-2.2) 5(0.975,2.2) 6(0.325,2.2) 7(-0.325,2.2) 8(-0.975,2.2)
  silkscreen extent -1.72,-2.33 1.5,1.5, body extent -1.5,-2.45 1.5,2.45, height 1.1
"VSSOP - 10" [mm] "DGSM-10"
  rect 0.3x1.5 smd: 1(-1,-2.2) 2(-0.5,-2.2) 3(0,-2.2) 4(0.5,-2.2) 5(1,-2.2) 6(1,2.2) 7(0.5,2.2) 8(0,2.2) 9(-0.5,2.2) 10(-1,2.2)
  silkscreen extent -1.27,-1.14 1.27,1.14, body extent -1.5,-2.45 1.5,2.45, height 1.1